# Altium PCB CPU_CARD.pcbdoc (part 2 of 10) (continued)
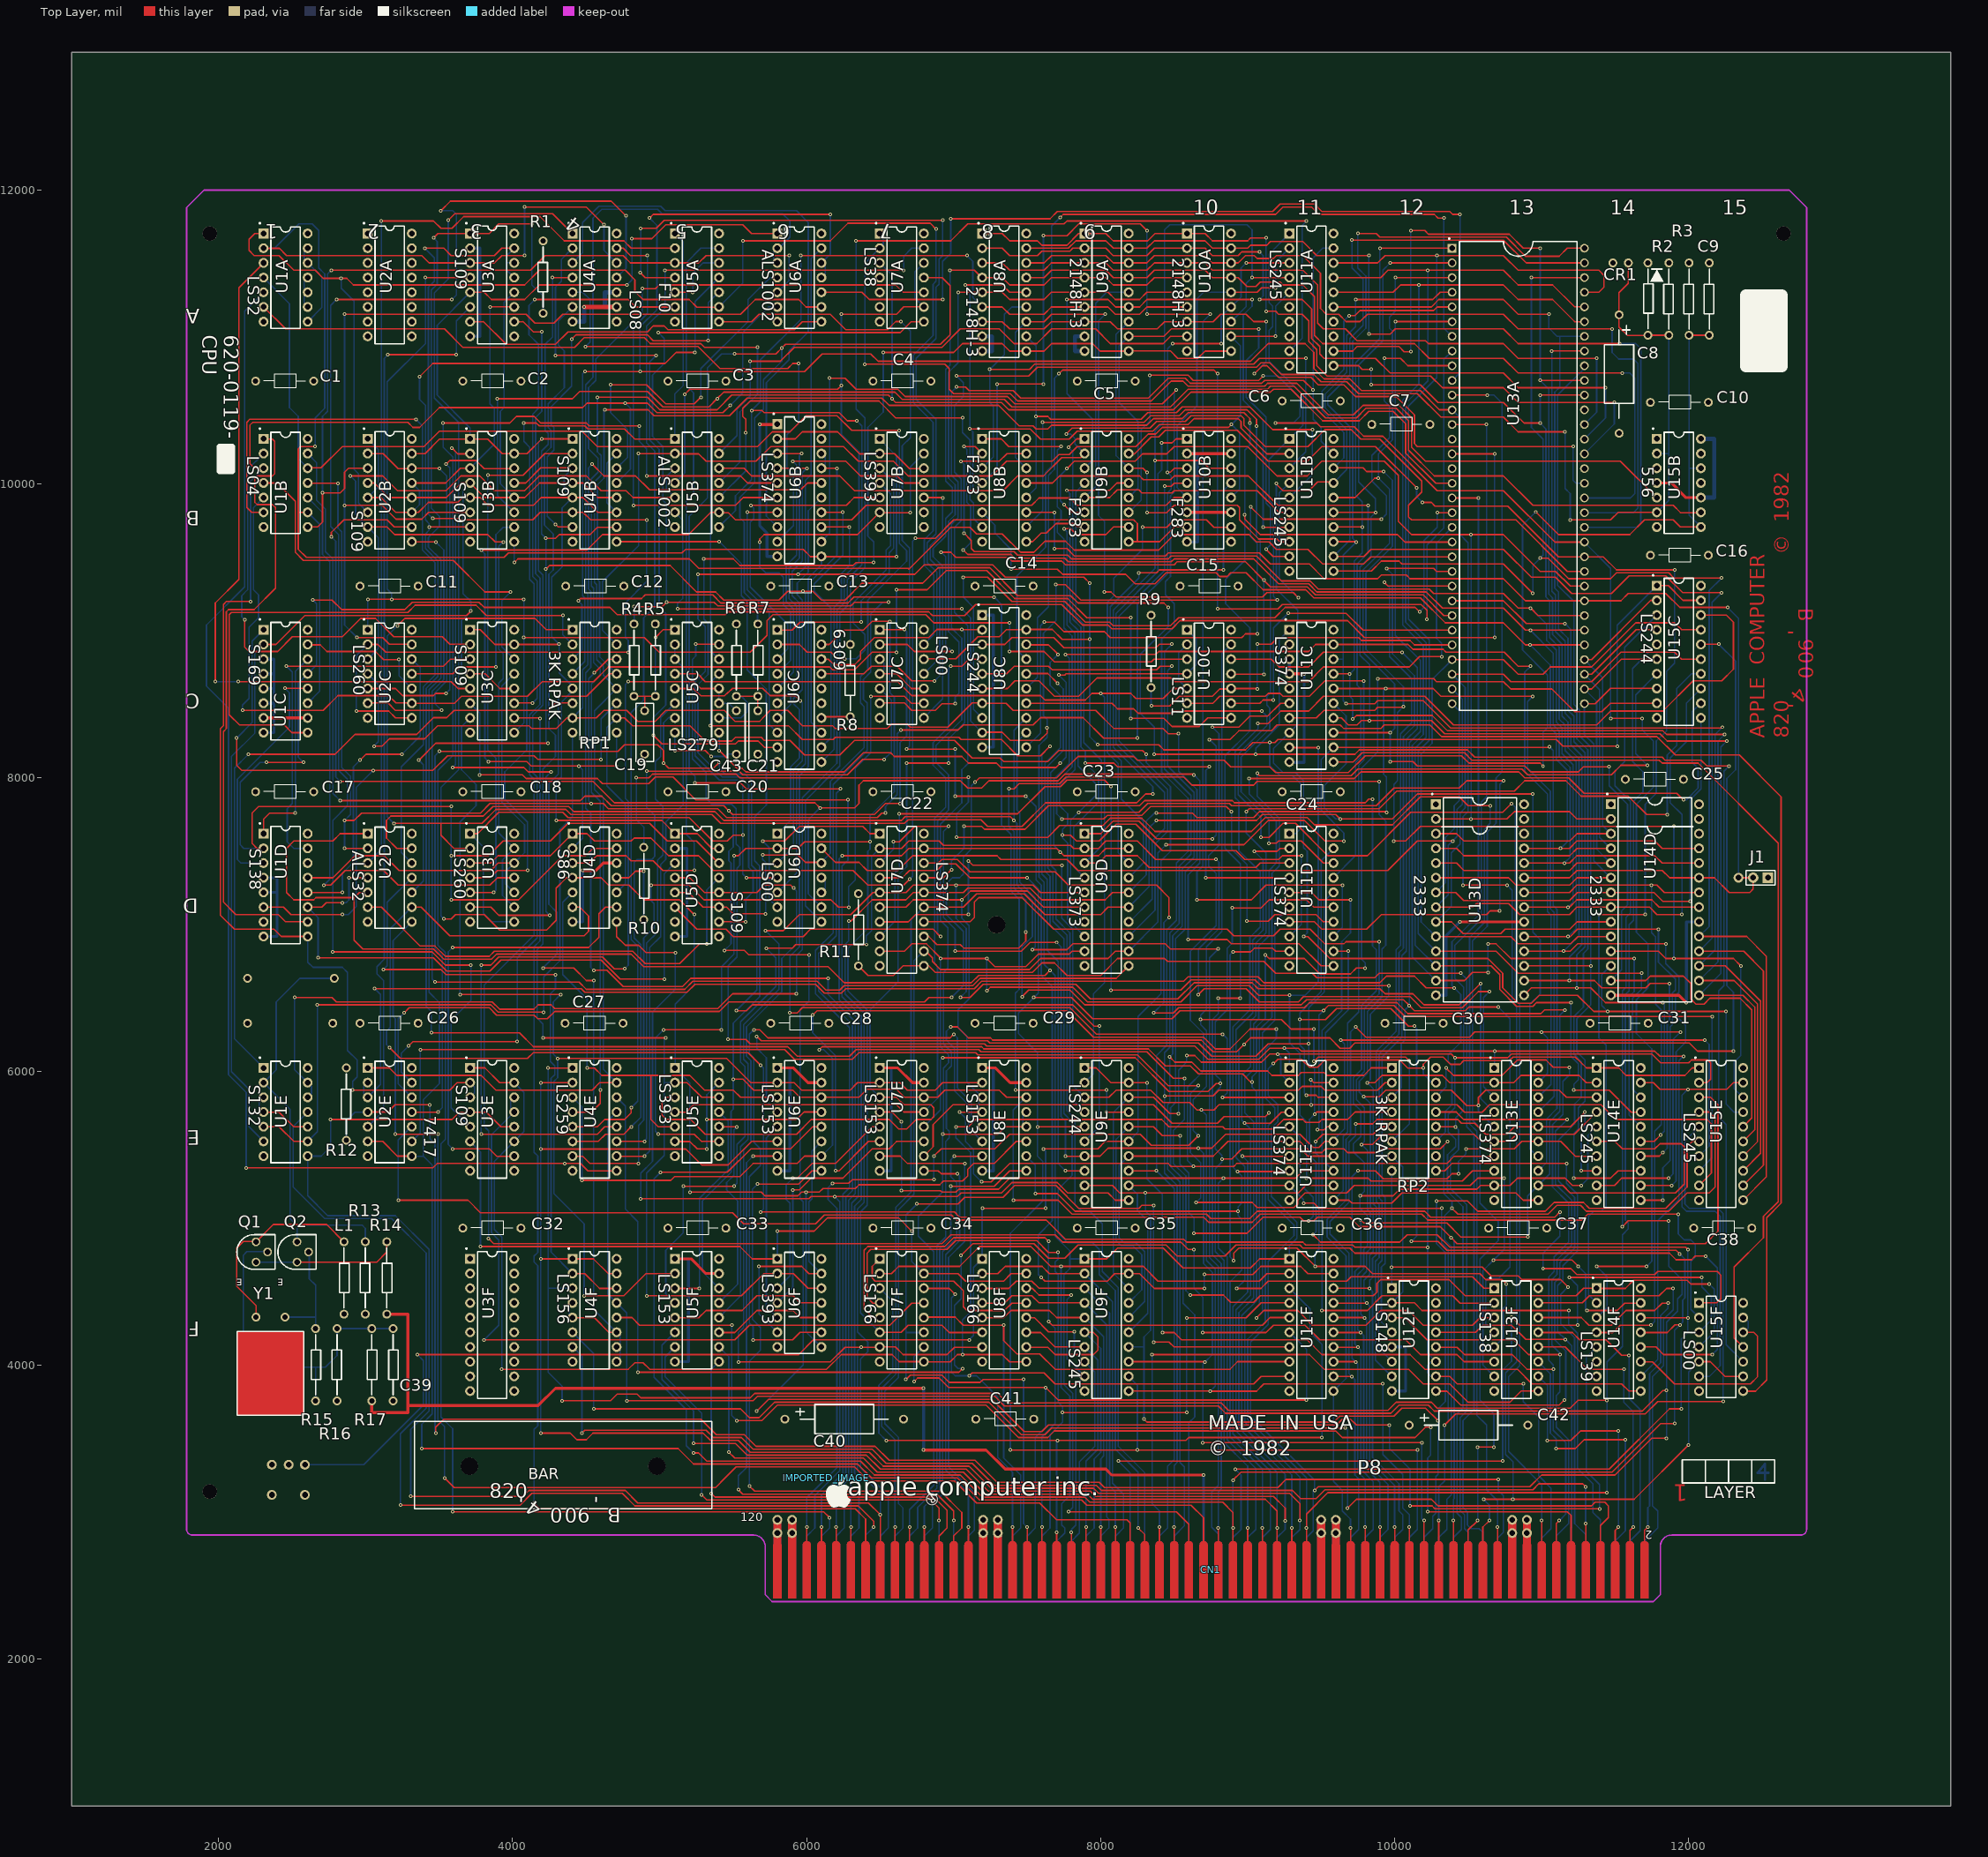
[diagram p0: Top Layer view]
## Footprints (in the part's own frame and the unit in brackets; to place one, negate y for a bottom-side part, rotate by r counter-clockwise, add the part's x,y. Pads: shape width x height; smd on the part's side, far side on the other; paste and mask are expansions set on the pad) (continued)
  Top Layer region: -36.791,4.952 -36.829,4.953 -36.829,4.953 -36.867,4.952 -36.867,4.952 -36.905,4.949 -36.905,4.949 -36.942,4.944 -36.942,4.944 -36.979,4.937 -36.979,4.937 -37.016,4.927 -37.016,4.927 -37.052,4.916 -37.052,4.916 -37.088,4.903 -37.088,4.903 -37.123,4.888 -37.123,4.888 -37.157,4.871 -37.157,4.871 -37.19,4.853 -37.19,4.853 -37.222,4.832 -37.222,4.832 -37.253,4.81 -37.253,4.81 -37.282,4.786 -37.282,4.786 -37.31,4.761 -37.31,4.761 -37.337,4.734 -37.337,4.734 -37.362,4.706 -37.362,4.706 -37.386,4.677 -37.386,4.677 -37.408,4.646 -37.408,4.646 -37.429,4.614 -37.429,4.614 -37.447,4.581 -37.447,4.581 -37.464,4.547 -37.464,4.547 -37.479,4.512 -37.479,4.512 -37.492,4.477 -37.492,4.477 -37.503,4.44 -37.503,4.44 -37.512,4.403 -37.512,4.403 -37.52,4.366 -37.52,4.366 -37.525,4.329 -37.525,4.329 -37.528,4.291 -37.528,4.291 -37.529,4.253 -37.529,4.253 -37.529,-4.953 -37.529,-4.953 -36.129,-4.953 -36.129,-4.953 -36.129,4.253 -36.129,4.253 -36.13,4.291 -36.13,4.291 -36.133,4.329 -36.133,4.329 -36.138,4.366 -36.138,4.366 -36.145,4.403 -36.145,4.403 -36.154,4.44 -36.154,4.44 -36.166,4.477 -36.166,4.477 -36.179,4.512 -36.179,4.512 -36.194,4.547 -36.194,4.547 -36.21,4.581 -36.21,4.581 -36.229,4.614 -36.229,4.614 -36.25,4.646 -36.25,4.646 -36.272,4.677 -36.272,4.677 -36.295,4.706 -36.295,4.706 -36.321,4.734 -36.321,4.734 -36.347,4.761 -36.347,4.761 -36.376,4.786 -36.376,4.786 -36.405,4.81 -36.405,4.81 -36.436,4.832 -36.436,4.832 -36.468,4.853 -36.468,4.853 -36.501,4.871 -36.501,4.871 -36.535,4.888 -36.535,4.888 -36.57,4.903 -36.57,4.903 -36.605,4.916 -36.605,4.916 -36.642,4.927 -36.642,4.927 -36.678,4.937 -36.678,4.937 -36.716,4.944 -36.716,4.944 -36.753,4.949 -36.753,4.949
  Top Layer region: -39.331,4.952 -39.369,4.953 -39.369,4.953 -39.407,4.952 -39.407,4.952 -39.445,4.949 -39.445,4.949 -39.482,4.944 -39.482,4.944 -39.52,4.937 -39.52,4.937 -39.557,4.927 -39.557,4.927 -39.593,4.916 -39.593,4.916 -39.628,4.903 -39.628,4.903 -39.663,4.888 -39.663,4.888 -39.697,4.872 -39.697,4.872 -39.73,4.853 -39.73,4.853 -39.762,4.832 -39.762,4.832 -39.793,4.81 -39.793,4.81 -39.822,4.787 -39.822,4.787 -39.851,4.761 -39.851,4.761 -39.877,4.734 -39.877,4.734 -39.903,4.706 -39.903,4.706 -39.927,4.677 -39.927,4.677 -39.949,4.646 -39.949,4.646 -39.969,4.614 -39.969,4.614 -39.988,4.581 -39.988,4.581 -40.005,4.547 -40.005,4.547 -40.02,4.512 -40.02,4.512 -40.033,4.477 -40.033,4.477 -40.044,4.44 -40.044,4.44 -40.053,4.404 -40.053,4.404 -40.06,4.366 -40.06,4.366 -40.065,4.329 -40.065,4.329 -40.068,4.291 -40.068,4.291 -40.069,4.253 -40.069,4.253 -40.069,-4.953 -40.069,-4.953 -38.669,-4.953 -38.669,-4.953 -38.669,4.253 -38.669,4.253 -38.67,4.291 -38.67,4.291 -38.673,4.329 -38.673,4.329 -38.678,4.366 -38.678,4.366 -38.686,4.404 -38.686,4.404 -38.695,4.44 -38.695,4.44 -38.706,4.477 -38.706,4.477 -38.719,4.512 -38.719,4.512 -38.734,4.547 -38.734,4.547 -38.751,4.581 -38.751,4.581 -38.769,4.614 -38.769,4.614 -38.79,4.646 -38.79,4.646 -38.812,4.677 -38.812,4.677 -38.836,4.706 -38.836,4.706 -38.861,4.734 -38.861,4.734 -38.888,4.761 -38.888,4.761 -38.916,4.787 -38.916,4.787 -38.946,4.81 -38.946,4.81 -38.976,4.832 -38.976,4.832 -39.008,4.853 -39.008,4.853 -39.041,4.872 -39.041,4.872 -39.075,4.888 -39.075,4.888 -39.11,4.903 -39.11,4.903 -39.146,4.916 -39.146,4.916 -39.182,4.927 -39.182,4.927 -39.219,4.937 -39.219,4.937 -39.256,4.944 -39.256,4.944 -39.294,4.949 -39.294,4.949
  Top Layer region: -49.493,4.952 -49.53,4.953 -49.53,4.953 -49.568,4.952 -49.568,4.952 -49.606,4.949 -49.606,4.949 -49.644,4.944 -49.644,4.944 -49.681,4.937 -49.681,4.937 -49.718,4.928 -49.718,4.928 -49.754,4.916 -49.754,4.916 -49.79,4.903 -49.79,4.903 -49.824,4.888 -49.824,4.888 -49.858,4.872 -49.858,4.872 -49.891,4.853 -49.891,4.853 -49.923,4.833 -49.923,4.833 -49.954,4.81 -49.954,4.81 -49.984,4.787 -49.984,4.787 -50.012,4.761 -50.012,4.761 -50.039,4.734 -50.039,4.734 -50.064,4.706 -50.064,4.706 -50.088,4.677 -50.088,4.677 -50.11,4.646 -50.11,4.646 -50.13,4.614 -50.13,4.614 -50.149,4.581 -50.149,4.581 -50.166,4.547 -50.166,4.547 -50.181,4.512 -50.181,4.512 -50.194,4.477 -50.194,4.477 -50.205,4.44 -50.205,4.44 -50.214,4.404 -50.214,4.404 -50.221,4.366 -50.221,4.366 -50.226,4.329 -50.226,4.329 -50.229,4.291 -50.229,4.291 -50.23,4.253 -50.23,4.253 -50.23,-4.953 -50.23,-4.953 -48.83,-4.953 -48.83,-4.953 -48.83,4.253 -48.83,4.253 -48.831,4.291 -48.831,4.291 -48.835,4.329 -48.835,4.329 -48.84,4.366 -48.84,4.366 -48.847,4.404 -48.847,4.404 -48.856,4.44 -48.856,4.44 -48.867,4.477 -48.867,4.477 -48.88,4.512 -48.88,4.512 -48.895,4.547 -48.895,4.547 -48.912,4.581 -48.912,4.581 -48.931,4.614 -48.931,4.614 -48.951,4.646 -48.951,4.646 -48.973,4.677 -48.973,4.677 -48.997,4.706 -48.997,4.706 -49.022,4.734 -49.022,4.734 -49.049,4.761 -49.049,4.761 -49.077,4.787 -49.077,4.787 -49.107,4.81 -49.107,4.81 -49.138,4.833 -49.138,4.833 -49.17,4.853 -49.17,4.853 -49.203,4.872 -49.203,4.872 -49.237,4.888 -49.237,4.888 -49.271,4.903 -49.271,4.903 -49.307,4.916 -49.307,4.916 -49.343,4.928 -49.343,4.928 -49.38,4.937 -49.38,4.937 -49.417,4.944 -49.417,4.944 -49.455,4.949 -49.455,4.949
  Top Layer region: -46.952,4.952 -46.99,4.953 -46.99,4.953 -47.028,4.952 -47.028,4.952 -47.066,4.949 -47.066,4.949 -47.103,4.944 -47.103,4.944 -47.141,4.937 -47.141,4.937 -47.177,4.927 -47.177,4.927 -47.214,4.916 -47.214,4.916 -47.249,4.903 -47.249,4.903 -47.284,4.888 -47.284,4.888 -47.318,4.871 -47.318,4.871 -47.351,4.853 -47.351,4.853 -47.383,4.832 -47.383,4.832 -47.414,4.81 -47.414,4.81 -47.443,4.787 -47.443,4.787 -47.472,4.761 -47.472,4.761 -47.498,4.734 -47.498,4.734 -47.524,4.706 -47.524,4.706 -47.547,4.677 -47.547,4.677 -47.57,4.646 -47.57,4.646 -47.59,4.614 -47.59,4.614 -47.609,4.581 -47.609,4.581 -47.625,4.547 -47.625,4.547 -47.64,4.512 -47.64,4.512 -47.653,4.477 -47.653,4.477 -47.665,4.44 -47.665,4.44 -47.674,4.403 -47.674,4.403 -47.681,4.366 -47.681,4.366 -47.686,4.329 -47.686,4.329 -47.689,4.291 -47.689,4.291 -47.69,4.253 -47.69,4.253 -47.69,-4.953 -47.69,-4.953 -46.29,-4.953 -46.29,-4.953 -46.29,4.253 -46.29,4.253 -46.291,4.291 -46.291,4.291 -46.294,4.329 -46.294,4.329 -46.299,4.366 -46.299,4.366 -46.306,4.403 -46.306,4.403 -46.316,4.44 -46.316,4.44 -46.327,4.477 -46.327,4.477 -46.34,4.512 -46.34,4.512 -46.355,4.547 -46.355,4.547 -46.372,4.581 -46.372,4.581 -46.39,4.614 -46.39,4.614 -46.411,4.646 -46.411,4.646 -46.433,4.677 -46.433,4.677 -46.457,4.706 -46.457,4.706 -46.482,4.734 -46.482,4.734 -46.509,4.761 -46.509,4.761 -46.537,4.787 -46.537,4.787 -46.567,4.81 -46.567,4.81 -46.597,4.832 -46.597,4.832 -46.629,4.853 -46.629,4.853 -46.662,4.871 -46.662,4.871 -46.696,4.888 -46.696,4.888 -46.731,4.903 -46.731,4.903 -46.767,4.916 -46.767,4.916 -46.803,4.927 -46.803,4.927 -46.84,4.937 -46.84,4.937 -46.877,4.944 -46.877,4.944 -46.915,4.949 -46.915,4.949
  Top Layer region: -52.033,4.952 -52.071,4.953 -52.071,4.953 -52.109,4.952 -52.109,4.952 -52.146,4.949 -52.146,4.949 -52.184,4.944 -52.184,4.944 -52.221,4.937 -52.221,4.937 -52.258,4.927 -52.258,4.927 -52.294,4.916 -52.294,4.916 -52.33,4.903 -52.33,4.903 -52.364,4.888 -52.364,4.888 -52.398,4.872 -52.398,4.872 -52.431,4.853 -52.431,4.853 -52.463,4.832 -52.463,4.832 -52.494,4.81 -52.494,4.81 -52.524,4.787 -52.524,4.787 -52.552,4.761 -52.552,4.761 -52.579,4.734 -52.579,4.734 -52.604,4.706 -52.604,4.706 -52.628,4.677 -52.628,4.677 -52.65,4.646 -52.65,4.646 -52.67,4.614 -52.67,4.614 -52.689,4.581 -52.689,4.581 -52.706,4.547 -52.706,4.547 -52.721,4.512 -52.721,4.512 -52.734,4.477 -52.734,4.477 -52.745,4.44 -52.745,4.44 -52.754,4.404 -52.754,4.404 -52.761,4.366 -52.761,4.366 -52.766,4.329 -52.766,4.329 -52.769,4.291 -52.769,4.291 -52.77,4.253 -52.77,4.253 -52.77,-4.953 -52.77,-4.953 -51.371,-4.953 -51.371,-4.953 -51.371,4.253 -51.371,4.253 -51.372,4.291 -51.372,4.291 -51.375,4.329 -51.375,4.329 -51.38,4.366 -51.38,4.366 -51.387,4.404 -51.387,4.404 -51.396,4.44 -51.396,4.44 -51.407,4.477 -51.407,4.477 -51.42,4.512 -51.42,4.512 -51.435,4.547 -51.435,4.547 -51.452,4.581 -51.452,4.581 -51.471,4.614 -51.471,4.614 -51.491,4.646 -51.491,4.646 -51.514,4.677 -51.514,4.677 -51.537,4.706 -51.537,4.706 -51.563,4.734 -51.563,4.734 -51.589,4.761 -51.589,4.761 -51.617,4.787 -51.617,4.787 -51.647,4.81 -51.647,4.81 -51.678,4.832 -51.678,4.832 -51.71,4.853 -51.71,4.853 -51.743,4.872 -51.743,4.872 -51.777,4.888 -51.777,4.888 -51.812,4.903 -51.812,4.903 -51.847,4.916 -51.847,4.916 -51.883,4.927 -51.883,4.927 -51.92,4.937 -51.92,4.937 -51.957,4.944 -51.957,4.944 -51.995,4.949 -51.995,4.949
  Top Layer region: -54.573,4.952 -54.611,4.953 -54.611,4.953 -54.649,4.952 -54.649,4.952 -54.687,4.949 -54.687,4.949 -54.724,4.944 -54.724,4.944 -54.761,4.937 -54.761,4.937 -54.798,4.927 -54.798,4.927 -54.834,4.916 -54.834,4.916 -54.87,4.903 -54.87,4.903 -54.905,4.888 -54.905,4.888 -54.939,4.871 -54.939,4.871 -54.972,4.853 -54.972,4.853 -55.004,4.832 -55.004,4.832 -55.034,4.81 -55.034,4.81 -55.064,4.786 -55.064,4.786 -55.092,4.761 -55.092,4.761 -55.119,4.734 -55.119,4.734 -55.144,4.706 -55.144,4.706 -55.168,4.677 -55.168,4.677 -55.19,4.646 -55.19,4.646 -55.211,4.614 -55.211,4.614 -55.229,4.581 -55.229,4.581 -55.246,4.547 -55.246,4.547 -55.261,4.512 -55.261,4.512 -55.274,4.477 -55.274,4.477 -55.285,4.44 -55.285,4.44 -55.294,4.403 -55.294,4.403 -55.302,4.366 -55.302,4.366 -55.307,4.329 -55.307,4.329 -55.31,4.291 -55.31,4.291 -55.311,4.253 -55.311,4.253 -55.311,-4.953 -55.311,-4.953 -53.911,-4.953 -53.911,-4.953 -53.911,4.253 -53.911,4.253 -53.912,4.291 -53.912,4.291 -53.915,4.329 -53.915,4.329 -53.92,4.366 -53.92,4.366 -53.927,4.403 -53.927,4.403 -53.936,4.44 -53.936,4.44 -53.947,4.477 -53.947,4.477 -53.96,4.512 -53.96,4.512 -53.975,4.547 -53.975,4.547 -53.992,4.581 -53.992,4.581 -54.011,4.614 -54.011,4.614 -54.031,4.646 -54.031,4.646 -54.054,4.677 -54.054,4.677 -54.077,4.706 -54.077,4.706 -54.103,4.734 -54.103,4.734 -54.129,4.761 -54.129,4.761 -54.158,4.786 -54.158,4.786 -54.187,4.81 -54.187,4.81 -54.218,4.832 -54.218,4.832 -54.25,4.853 -54.25,4.853 -54.283,4.871 -54.283,4.871 -54.317,4.888 -54.317,4.888 -54.352,4.903 -54.352,4.903 -54.387,4.916 -54.387,4.916 -54.424,4.927 -54.424,4.927 -54.46,4.937 -54.46,4.937 -54.498,4.944 -54.498,4.944 -54.535,4.949 -54.535,4.949
  Top Layer region: -13.929,4.952 -13.966,4.953 -13.966,4.953 -14.004,4.952 -14.004,4.952 -14.042,4.949 -14.042,4.949 -14.08,4.944 -14.08,4.944 -14.117,4.937 -14.117,4.937 -14.154,4.927 -14.154,4.927 -14.19,4.916 -14.19,4.916 -14.226,4.903 -14.226,4.903 -14.26,4.888 -14.26,4.888 -14.294,4.871 -14.294,4.871 -14.327,4.853 -14.327,4.853 -14.359,4.832 -14.359,4.832 -14.39,4.81 -14.39,4.81 -14.42,4.786 -14.42,4.786 -14.448,4.761 -14.448,4.761 -14.475,4.734 -14.475,4.734 -14.5,4.706 -14.5,4.706 -14.524,4.677 -14.524,4.677 -14.546,4.646 -14.546,4.646 -14.566,4.614 -14.566,4.614 -14.585,4.581 -14.585,4.581 -14.602,4.547 -14.602,4.547 -14.617,4.512 -14.617,4.512 -14.63,4.477 -14.63,4.477 -14.641,4.44 -14.641,4.44 -14.65,4.403 -14.65,4.403 -14.657,4.366 -14.657,4.366 -14.662,4.329 -14.662,4.329 -14.665,4.291 -14.665,4.291 -14.666,4.253 -14.666,4.253 -14.666,-4.953 -14.666,-4.953 -13.266,-4.953 -13.266,-4.953 -13.266,4.253 -13.266,4.253 -13.268,4.291 -13.268,4.291 -13.271,4.329 -13.271,4.329 -13.276,4.366 -13.276,4.366 -13.283,4.403 -13.283,4.403 -13.292,4.44 -13.292,4.44 -13.303,4.477 -13.303,4.477 -13.316,4.512 -13.316,4.512 -13.331,4.547 -13.331,4.547 -13.348,4.581 -13.348,4.581 -13.367,4.614 -13.367,4.614 -13.387,4.646 -13.387,4.646 -13.409,4.677 -13.409,4.677 -13.433,4.706 -13.433,4.706 -13.458,4.734 -13.458,4.734 -13.485,4.761 -13.485,4.761 -13.513,4.786 -13.513,4.786 -13.543,4.81 -13.543,4.81 -13.574,4.832 -13.574,4.832 -13.605,4.853 -13.605,4.853 -13.639,4.871 -13.639,4.871 -13.673,4.888 -13.673,4.888 -13.707,4.903 -13.707,4.903 -13.743,4.916 -13.743,4.916 -13.779,4.927 -13.779,4.927 -13.816,4.937 -13.816,4.937 -13.853,4.944 -13.853,4.944 -13.891,4.949 -13.891,4.949
  Top Layer region: -11.388,4.952 -11.426,4.953 -11.426,4.953 -11.464,4.952 -11.464,4.952 -11.502,4.949 -11.502,4.949 -11.54,4.944 -11.54,4.944 -11.577,4.937 -11.577,4.937 -11.614,4.927 -11.614,4.927 -11.65,4.916 -11.65,4.916 -11.685,4.903 -11.685,4.903 -11.72,4.888 -11.72,4.888 -11.754,4.872 -11.754,4.872 -11.787,4.853 -11.787,4.853 -11.819,4.832 -11.819,4.832 -11.85,4.81 -11.85,4.81 -11.879,4.787 -11.879,4.787 -11.908,4.761 -11.908,4.761 -11.934,4.734 -11.934,4.734 -11.96,4.706 -11.96,4.706 -11.983,4.677 -11.983,4.677 -12.006,4.646 -12.006,4.646 -12.026,4.614 -12.026,4.614 -12.045,4.581 -12.045,4.581 -12.061,4.547 -12.061,4.547 -12.076,4.512 -12.076,4.512 -12.089,4.477 -12.089,4.477 -12.101,4.44 -12.101,4.44 -12.11,4.404 -12.11,4.404 -12.117,4.366 -12.117,4.366 -12.122,4.329 -12.122,4.329 -12.125,4.291 -12.125,4.291 -12.126,4.253 -12.126,4.253 -12.126,-4.953 -12.126,-4.953 -10.726,-4.953 -10.726,-4.953 -10.726,4.253 -10.726,4.253 -10.727,4.291 -10.727,4.291 -10.73,4.329 -10.73,4.329 -10.735,4.366 -10.735,4.366 -10.743,4.404 -10.743,4.404 -10.752,4.44 -10.752,4.44 -10.763,4.477 -10.763,4.477 -10.776,4.512 -10.776,4.512 -10.791,4.547 -10.791,4.547 -10.808,4.581 -10.808,4.581 -10.827,4.614 -10.827,4.614 -10.847,4.646 -10.847,4.646 -10.869,4.677 -10.869,4.677 -10.893,4.706 -10.893,4.706 -10.918,4.734 -10.918,4.734 -10.945,4.761 -10.945,4.761 -10.973,4.787 -10.973,4.787 -11.003,4.81 -11.003,4.81 -11.033,4.832 -11.033,4.832 -11.065,4.853 -11.065,4.853 -11.098,4.872 -11.098,4.872 -11.132,4.888 -11.132,4.888 -11.167,4.903 -11.167,4.903 -11.203,4.916 -11.203,4.916 -11.239,4.927 -11.239,4.927 -11.276,4.937 -11.276,4.937 -11.313,4.944 -11.313,4.944 -11.351,4.949 -11.351,4.949
  Top Layer region: -6.308,4.952 -6.346,4.953 -6.346,4.953 -6.384,4.952 -6.384,4.952 -6.422,4.949 -6.422,4.949 -6.459,4.944 -6.459,4.944 -6.496,4.937 -6.496,4.937 -6.533,4.927 -6.533,4.927 -6.569,4.916 -6.569,4.916 -6.605,4.903 -6.605,4.903 -6.64,4.888 -6.64,4.888 -6.674,4.871 -6.674,4.871 -6.707,4.853 -6.707,4.853 -6.739,4.832 -6.739,4.832 -6.77,4.81 -6.77,4.81 -6.799,4.786 -6.799,4.786 -6.827,4.761 -6.827,4.761 -6.854,4.734 -6.854,4.734 -6.879,4.706 -6.879,4.706 -6.903,4.677 -6.903,4.677 -6.925,4.646 -6.925,4.646 -6.946,4.614 -6.946,4.614 -6.964,4.581 -6.964,4.581 -6.981,4.547 -6.981,4.547 -6.996,4.512 -6.996,4.512 -7.009,4.477 -7.009,4.477 -7.02,4.44 -7.02,4.44 -7.029,4.403 -7.029,4.403 -7.037,4.366 -7.037,4.366 -7.042,4.329 -7.042,4.329 -7.045,4.291 -7.045,4.291 -7.046,4.253 -7.046,4.253 -7.046,-4.953 -7.046,-4.953 -5.646,-4.953 -5.646,-4.953 -5.646,4.253 -5.646,4.253 -5.647,4.291 -5.647,4.291 -5.65,4.329 -5.65,4.329 -5.655,4.366 -5.655,4.366 -5.662,4.403 -5.662,4.403 -5.671,4.44 -5.671,4.44 -5.682,4.477 -5.682,4.477 -5.695,4.512 -5.695,4.512 -5.71,4.547 -5.71,4.547 -5.727,4.581 -5.727,4.581 -5.746,4.614 -5.746,4.614 -5.766,4.646 -5.766,4.646 -5.789,4.677 -5.789,4.677 -5.812,4.706 -5.812,4.706 -5.838,4.734 -5.838,4.734 -5.864,4.761 -5.864,4.761 -5.893,4.786 -5.893,4.786 -5.922,4.81 -5.922,4.81 -5.953,4.832 -5.953,4.832 -5.985,4.853 -5.985,4.853 -6.018,4.871 -6.018,4.871 -6.052,4.888 -6.052,4.888 -6.087,4.903 -6.087,4.903 -6.122,4.916 -6.122,4.916 -6.159,4.927 -6.159,4.927 -6.195,4.937 -6.195,4.937 -6.233,4.944 -6.233,4.944 -6.27,4.949 -6.27,4.949
  Top Layer region: -8.848,4.952 -8.886,4.953 -8.886,4.953 -8.924,4.952 -8.924,4.952 -8.962,4.949 -8.962,4.949 -8.999,4.944 -8.999,4.944 -9.037,4.937 -9.037,4.937 -9.074,4.928 -9.074,4.928 -9.11,4.916 -9.11,4.916 -9.145,4.903 -9.145,4.903 -9.18,4.888 -9.18,4.888 -9.214,4.872 -9.214,4.872 -9.247,4.853 -9.247,4.853 -9.279,4.833 -9.279,4.833 -9.31,4.81 -9.31,4.81 -9.339,4.787 -9.339,4.787 -9.368,4.761 -9.368,4.761 -9.394,4.734 -9.394,4.734 -9.42,4.706 -9.42,4.706 -9.443,4.677 -9.443,4.677 -9.466,4.646 -9.466,4.646 -9.486,4.614 -9.486,4.614 -9.505,4.581 -9.505,4.581 -9.521,4.547 -9.521,4.547 -9.536,4.512 -9.536,4.512 -9.55,4.477 -9.55,4.477 -9.561,4.44 -9.561,4.44 -9.57,4.404 -9.57,4.404 -9.577,4.366 -9.577,4.366 -9.582,4.329 -9.582,4.329 -9.585,4.291 -9.585,4.291 -9.586,4.253 -9.586,4.253 -9.586,-4.953 -9.586,-4.953 -8.186,-4.953 -8.186,-4.953 -8.186,4.253 -8.186,4.253 -8.187,4.291 -8.187,4.291 -8.19,4.329 -8.19,4.329 -8.195,4.366 -8.195,4.366 -8.202,4.404 -8.202,4.404 -8.212,4.44 -8.212,4.44 -8.223,4.477 -8.223,4.477 -8.236,4.512 -8.236,4.512 -8.251,4.547 -8.251,4.547 -8.268,4.581 -8.268,4.581 -8.286,4.614 -8.286,4.614 -8.307,4.646 -8.307,4.646 -8.329,4.677 -8.329,4.677 -8.353,4.706 -8.353,4.706 -8.378,4.734 -8.378,4.734 -8.405,4.761 -8.405,4.761 -8.433,4.787 -8.433,4.787 -8.462,4.81 -8.462,4.81 -8.493,4.833 -8.493,4.833 -8.525,4.853 -8.525,4.853 -8.558,4.872 -8.558,4.872 -8.592,4.888 -8.592,4.888 -8.627,4.903 -8.627,4.903 -8.663,4.916 -8.663,4.916 -8.699,4.928 -8.699,4.928 -8.736,4.937 -8.736,4.937 -8.773,4.944 -8.773,4.944 -8.81,4.949 -8.81,4.949
  Top Layer region: 1.313,4.952 1.275,4.953 1.275,4.953 1.237,4.952 1.237,4.952 1.199,4.949 1.199,4.949 1.162,4.944 1.162,4.944 1.125,4.937 1.125,4.937 1.088,4.927 1.088,4.927 1.052,4.916 1.052,4.916 1.016,4.903 1.016,4.903 0.981,4.888 0.981,4.888 0.947,4.872 0.947,4.872 0.914,4.853 0.914,4.853 0.882,4.832 0.882,4.832 0.852,4.81 0.852,4.81 0.822,4.787 0.822,4.787 0.794,4.761 0.794,4.761 0.767,4.734 0.767,4.734 0.742,4.706 0.742,4.706 0.718,4.677 0.718,4.677 0.696,4.646 0.696,4.646 0.675,4.614 0.675,4.614 0.657,4.581 0.657,4.581 0.64,4.547 0.64,4.547 0.625,4.512 0.625,4.512 0.612,4.477 0.612,4.477 0.601,4.44 0.601,4.44 0.591,4.404 0.591,4.404 0.584,4.366 0.584,4.366 0.579,4.329 0.579,4.329 0.576,4.291 0.576,4.291 0.575,4.253 0.575,4.253 0.575,-4.953 0.575,-4.953 1.975,-4.953 1.975,-4.953 1.975,4.253 1.975,4.253 1.974,4.291 1.974,4.291 1.971,4.329 1.971,4.329 1.966,4.366 1.966,4.366 1.959,4.404 1.959,4.404 1.95,4.44 1.95,4.44 1.939,4.477 1.939,4.477 1.925,4.512 1.925,4.512 1.91,4.547 1.91,4.547 1.894,4.581 1.894,4.581 1.875,4.614 1.875,4.614 1.855,4.646 1.855,4.646 1.832,4.677 1.832,4.677 1.809,4.706 1.809,4.706 1.783,4.734 1.783,4.734 1.757,4.761 1.757,4.761 1.728,4.787 1.728,4.787 1.699,4.81 1.699,4.81 1.668,4.832 1.668,4.832 1.636,4.853 1.636,4.853 1.603,4.872 1.603,4.872 1.569,4.888 1.569,4.888 1.534,4.903 1.534,4.903 1.499,4.916 1.499,4.916 1.462,4.927 1.462,4.927 1.426,4.937 1.426,4.937 1.388,4.944 1.388,4.944 1.351,4.949 1.351,4.949
  Top Layer region: 3.853,4.952 3.815,4.953 3.815,4.953 3.778,4.952 3.778,4.952 3.74,4.949 3.74,4.949 3.702,4.944 3.702,4.944 3.665,4.937 3.665,4.937 3.628,4.927 3.628,4.927 3.592,4.916 3.592,4.916 3.556,4.903 3.556,4.903 3.522,4.888 3.522,4.888 3.488,4.871 3.488,4.871 3.455,4.853 3.455,4.853 3.423,4.832 3.423,4.832 3.392,4.81 3.392,4.81 3.362,4.786 3.362,4.786 3.334,4.761 3.334,4.761 3.307,4.734 3.307,4.734 3.282,4.706 3.282,4.706 3.258,4.677 3.258,4.677 3.236,4.646 3.236,4.646 3.216,4.614 3.216,4.614 3.197,4.581 3.197,4.581 3.18,4.547 3.18,4.547 3.165,4.512 3.165,4.512 3.152,4.477 3.152,4.477 3.141,4.44 3.141,4.44 3.132,4.403 3.132,4.403 3.125,4.366 3.125,4.366 3.119,4.329 3.119,4.329 3.117,4.291 3.117,4.291 3.116,4.253 3.116,4.253 3.116,-4.953 3.116,-4.953 4.516,-4.953 4.516,-4.953 4.516,4.253 4.516,4.253 4.514,4.291 4.514,4.291 4.511,4.329 4.511,4.329 4.506,4.366 4.506,4.366 4.499,4.403 4.499,4.403 4.49,4.44 4.49,4.44 4.479,4.477 4.479,4.477 4.466,4.512 4.466,4.512 4.451,4.547 4.451,4.547 4.434,4.581 4.434,4.581 4.415,4.614 4.415,4.614 4.395,4.646 4.395,4.646 4.373,4.677 4.373,4.677 4.349,4.706 4.349,4.706 4.324,4.734 4.324,4.734 4.297,4.761 4.297,4.761 4.269,4.786 4.269,4.786 4.239,4.81 4.239,4.81 4.208,4.832 4.208,4.832 4.176,4.853 4.176,4.853 4.143,4.871 4.143,4.871 4.11,4.888 4.11,4.888 4.075,4.903 4.075,4.903 4.039,4.916 4.039,4.916 4.003,4.927 4.003,4.927 3.966,4.937 3.966,4.937 3.929,4.944 3.929,4.944 3.891,4.949 3.891,4.949
  Top Layer region: -1.227,4.952 -1.265,4.953 -1.265,4.953 -1.303,4.952 -1.303,4.952 -1.341,4.949 -1.341,4.949 -1.378,4.944 -1.378,4.944 -1.416,4.937 -1.416,4.937 -1.453,4.927 -1.453,4.927 -1.489,4.916 -1.489,4.916 -1.524,4.903 -1.524,4.903 -1.559,4.888 -1.559,4.888 -1.593,4.871 -1.593,4.871 -1.626,4.853 -1.626,4.853 -1.658,4.832 -1.658,4.832 -1.689,4.81 -1.689,4.81 -1.718,4.786 -1.718,4.786 -1.747,4.761 -1.747,4.761 -1.773,4.734 -1.773,4.734 -1.798,4.706 -1.798,4.706 -1.822,4.677 -1.822,4.677 -1.844,4.646 -1.844,4.646 -1.865,4.614 -1.865,4.614 -1.884,4.581 -1.884,4.581 -1.9,4.547 -1.9,4.547 -1.915,4.512 -1.915,4.512 -1.929,4.477 -1.929,4.477 -1.94,4.44 -1.94,4.44 -1.949,4.403 -1.949,4.403 -1.956,4.366 -1.956,4.366 -1.961,4.329 -1.961,4.329 -1.964,4.291 -1.964,4.291 -1.965,4.253 -1.965,4.253 -1.965,-4.953 -1.965,-4.953 -0.565,-4.953 -0.565,-4.953 -0.565,4.253 -0.565,4.253 -0.566,4.291 -0.566,4.291 -0.569,4.329 -0.569,4.329 -0.574,4.366 -0.574,4.366 -0.581,4.403 -0.581,4.403 -0.591,4.44 -0.591,4.44 -0.602,4.477 -0.602,4.477 -0.615,4.512 -0.615,4.512 -0.63,4.547 -0.63,4.547 -0.647,4.581 -0.647,4.581 -0.665,4.614 -0.665,4.614 -0.686,4.646 -0.686,4.646 -0.708,4.677 -0.708,4.677 -0.732,4.706 -0.732,4.706 -0.757,4.734 -0.757,4.734 -0.784,4.761 -0.784,4.761 -0.812,4.786 -0.812,4.786 -0.841,4.81 -0.841,4.81 -0.872,4.832 -0.872,4.832 -0.904,4.853 -0.904,4.853 -0.937,4.871 -0.937,4.871 -0.971,4.888 -0.971,4.888 -1.006,4.903 -1.006,4.903 -1.042,4.916 -1.042,4.916 -1.078,4.927 -1.078,4.927 -1.115,4.937 -1.115,4.937 -1.152,4.944 -1.152,4.944 -1.189,4.949 -1.189,4.949
  Top Layer region: -3.767,4.952 -3.805,4.953 -3.805,4.953 -3.843,4.952 -3.843,4.952 -3.881,4.949 -3.881,4.949 -3.919,4.944 -3.919,4.944 -3.956,4.937 -3.956,4.937 -3.993,4.927 -3.993,4.927 -4.029,4.916 -4.029,4.916 -4.064,4.903 -4.064,4.903 -4.099,4.888 -4.099,4.888 -4.133,4.871 -4.133,4.871 -4.166,4.853 -4.166,4.853 -4.198,4.832 -4.198,4.832 -4.229,4.81 -4.229,4.81 -4.258,4.786 -4.258,4.786 -4.287,4.761 -4.287,4.761 -4.314,4.734 -4.314,4.734 -4.339,4.706 -4.339,4.706 -4.363,4.677 -4.363,4.677 -4.385,4.646 -4.385,4.646 -4.405,4.614 -4.405,4.614 -4.424,4.581 -4.424,4.581 -4.441,4.547 -4.441,4.547 -4.456,4.512 -4.456,4.512 -4.469,4.477 -4.469,4.477 -4.48,4.44 -4.48,4.44 -4.489,4.403 -4.489,4.403 -4.496,4.366 -4.496,4.366 -4.501,4.329 -4.501,4.329 -4.504,4.291 -4.504,4.291 -4.505,4.253 -4.505,4.253 -4.505,-4.953 -4.505,-4.953 -3.105,-4.953 -3.105,-4.953 -3.105,4.253 -3.105,4.253 -3.106,4.291 -3.106,4.291 -3.109,4.329 -3.109,4.329 -3.114,4.366 -3.114,4.366 -3.122,4.403 -3.122,4.403 -3.131,4.44 -3.131,4.44 -3.142,4.477 -3.142,4.477 -3.155,4.512 -3.155,4.512 -3.17,4.547 -3.17,4.547 -3.187,4.581 -3.187,4.581 -3.206,4.614 -3.206,4.614 -3.226,4.646 -3.226,4.646 -3.248,4.677 -3.248,4.677 -3.272,4.706 -3.272,4.706 -3.297,4.734 -3.297,4.734 -3.324,4.761 -3.324,4.761 -3.352,4.786 -3.352,4.786 -3.382,4.81 -3.382,4.81 -3.412,4.832 -3.412,4.832 -3.444,4.853 -3.444,4.853 -3.478,4.871 -3.478,4.871 -3.511,4.888 -3.511,4.888 -3.546,4.903 -3.546,4.903 -3.582,4.916 -3.582,4.916 -3.618,4.927 -3.618,4.927 -3.655,4.937 -3.655,4.937 -3.692,4.944 -3.692,4.944 -3.73,4.949 -3.73,4.949
  Top Layer region: -24.09,4.952 -24.128,4.953 -24.128,4.953 -24.165,4.952 -24.165,4.952 -24.203,4.949 -24.203,4.949 -24.241,4.944 -24.241,4.944 -24.278,4.937 -24.278,4.937 -24.315,4.927 -24.315,4.927 -24.351,4.916 -24.351,4.916 -24.387,4.903 -24.387,4.903 -24.421,4.888 -24.421,4.888 -24.455,4.871 -24.455,4.871 -24.488,4.853 -24.488,4.853 -24.52,4.832 -24.52,4.832 -24.551,4.81 -24.551,4.81 -24.581,4.786 -24.581,4.786 -24.609,4.761 -24.609,4.761 -24.636,4.734 -24.636,4.734 -24.661,4.706 -24.661,4.706 -24.685,4.677 -24.685,4.677 -24.707,4.646 -24.707,4.646 -24.727,4.614 -24.727,4.614 -24.746,4.581 -24.746,4.581 -24.763,4.547 -24.763,4.547 -24.778,4.512 -24.778,4.512 -24.791,4.477 -24.791,4.477 -24.802,4.44 -24.802,4.44 -24.811,4.403 -24.811,4.403 -24.818,4.366 -24.818,4.366 -24.823,4.329 -24.823,4.329 -24.827,4.291 -24.827,4.291 -24.828,4.253 -24.828,4.253 -24.828,-4.953 -24.828,-4.953 -23.428,-4.953 -23.428,-4.953 -23.428,4.253 -23.428,4.253 -23.429,4.291 -23.429,4.291 -23.432,4.329 -23.432,4.329 -23.437,4.366 -23.437,4.366 -23.444,4.403 -23.444,4.403 -23.453,4.44 -23.453,4.44 -23.464,4.477 -23.464,4.477 -23.477,4.512 -23.477,4.512 -23.492,4.547 -23.492,4.547 -23.509,4.581 -23.509,4.581 -23.528,4.614 -23.528,4.614 -23.548,4.646 -23.548,4.646 -23.57,4.677 -23.57,4.677 -23.594,4.706 -23.594,4.706 -23.619,4.734 -23.619,4.734 -23.646,4.761 -23.646,4.761 -23.674,4.786 -23.674,4.786 -23.704,4.81 -23.704,4.81 -23.735,4.832 -23.735,4.832 -23.767,4.853 -23.767,4.853 -23.8,4.871 -23.8,4.871 -23.834,4.888 -23.834,4.888 -23.868,4.903 -23.868,4.903 -23.904,4.916 -23.904,4.916 -23.94,4.927 -23.94,4.927 -23.977,4.937 -23.977,4.937 -24.014,4.944 -24.014,4.944 -24.052,4.949 -24.052,4.949
  Top Layer region: -21.549,4.952 -21.587,4.953 -21.587,4.953 -21.625,4.952 -21.625,4.952 -21.663,4.949 -21.663,4.949 -21.701,4.944 -21.701,4.944 -21.738,4.937 -21.738,4.937 -21.775,4.927 -21.775,4.927 -21.811,4.916 -21.811,4.916 -21.847,4.903 -21.847,4.903 -21.881,4.888 -21.881,4.888 -21.915,4.871 -21.915,4.871 -21.948,4.853 -21.948,4.853 -21.98,4.832 -21.98,4.832 -22.011,4.81 -22.011,4.81 -22.04,4.786 -22.04,4.786 -22.069,4.761 -22.069,4.761 -22.096,4.734 -22.096,4.734 -22.121,4.706 -22.121,4.706 -22.145,4.677 -22.145,4.677 -22.167,4.646 -22.167,4.646 -22.187,4.614 -22.187,4.614 -22.206,4.581 -22.206,4.581 -22.223,4.547 -22.223,4.547 -22.238,4.512 -22.238,4.512 -22.251,4.476 -22.251,4.476 -22.262,4.44 -22.262,4.44 -22.271,4.403 -22.271,4.403 -22.278,4.366 -22.278,4.366 -22.283,4.329 -22.283,4.329 -22.286,4.291 -22.286,4.291 -22.287,4.253 -22.287,4.253 -22.287,-4.953 -22.287,-4.953 -20.887,-4.953 -20.887,-4.953 -20.887,4.253 -20.887,4.253 -20.888,4.291 -20.888,4.291 -20.891,4.329 -20.891,4.329 -20.897,4.366 -20.897,4.366 -20.904,4.403 -20.904,4.403 -20.913,4.44 -20.913,4.44 -20.924,4.476 -20.924,4.476 -20.937,4.512 -20.937,4.512 -20.952,4.547 -20.952,4.547 -20.969,4.581 -20.969,4.581 -20.988,4.614 -20.988,4.614 -21.008,4.646 -21.008,4.646 -21.03,4.677 -21.03,4.677 -21.054,4.706 -21.054,4.706 -21.079,4.734 -21.079,4.734 -21.106,4.761 -21.106,4.761 -21.134,4.786 -21.134,4.786 -21.164,4.81 -21.164,4.81 -21.194,4.832 -21.194,4.832 -21.226,4.853 -21.226,4.853 -21.26,4.871 -21.26,4.871 -21.293,4.888 -21.293,4.888 -21.328,4.903 -21.328,4.903 -21.364,4.916 -21.364,4.916 -21.4,4.927 -21.4,4.927 -21.437,4.937 -21.437,4.937 -21.474,4.944 -21.474,4.944 -21.512,4.949 -21.512,4.949